# Altium PCB PCB.PcbDoc
Units mm, origin at the board's own origin, x right, y up, seen from the top; angles counter-clockwise.
Board outline 92 x 86 mm, 2 copper layers (Top Layer, Bottom Layer); 69 components, 45 nets, 192 pads, 21 vias.
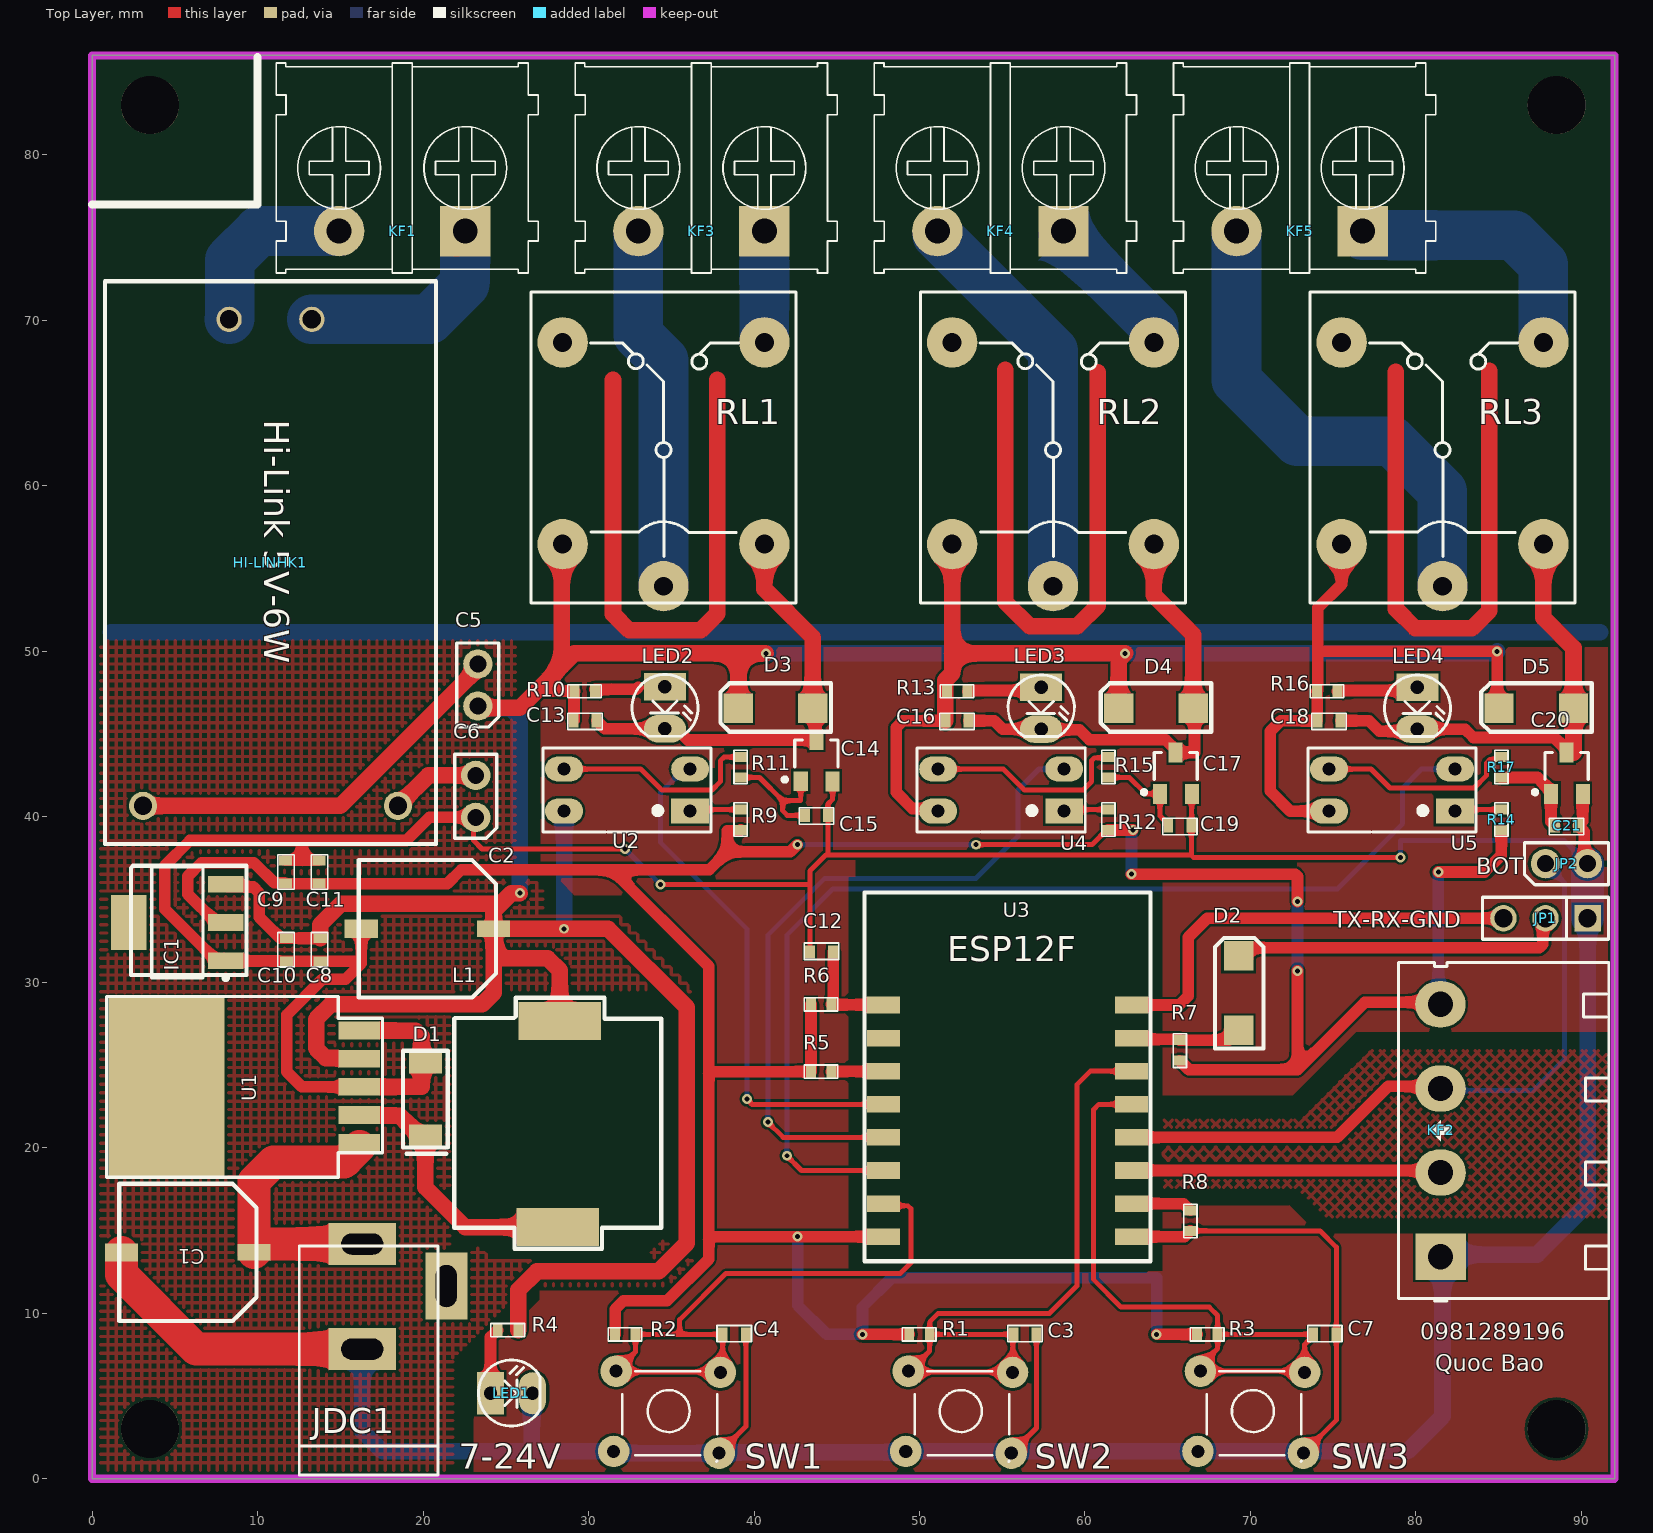
[diagram p0: Top Layer view]
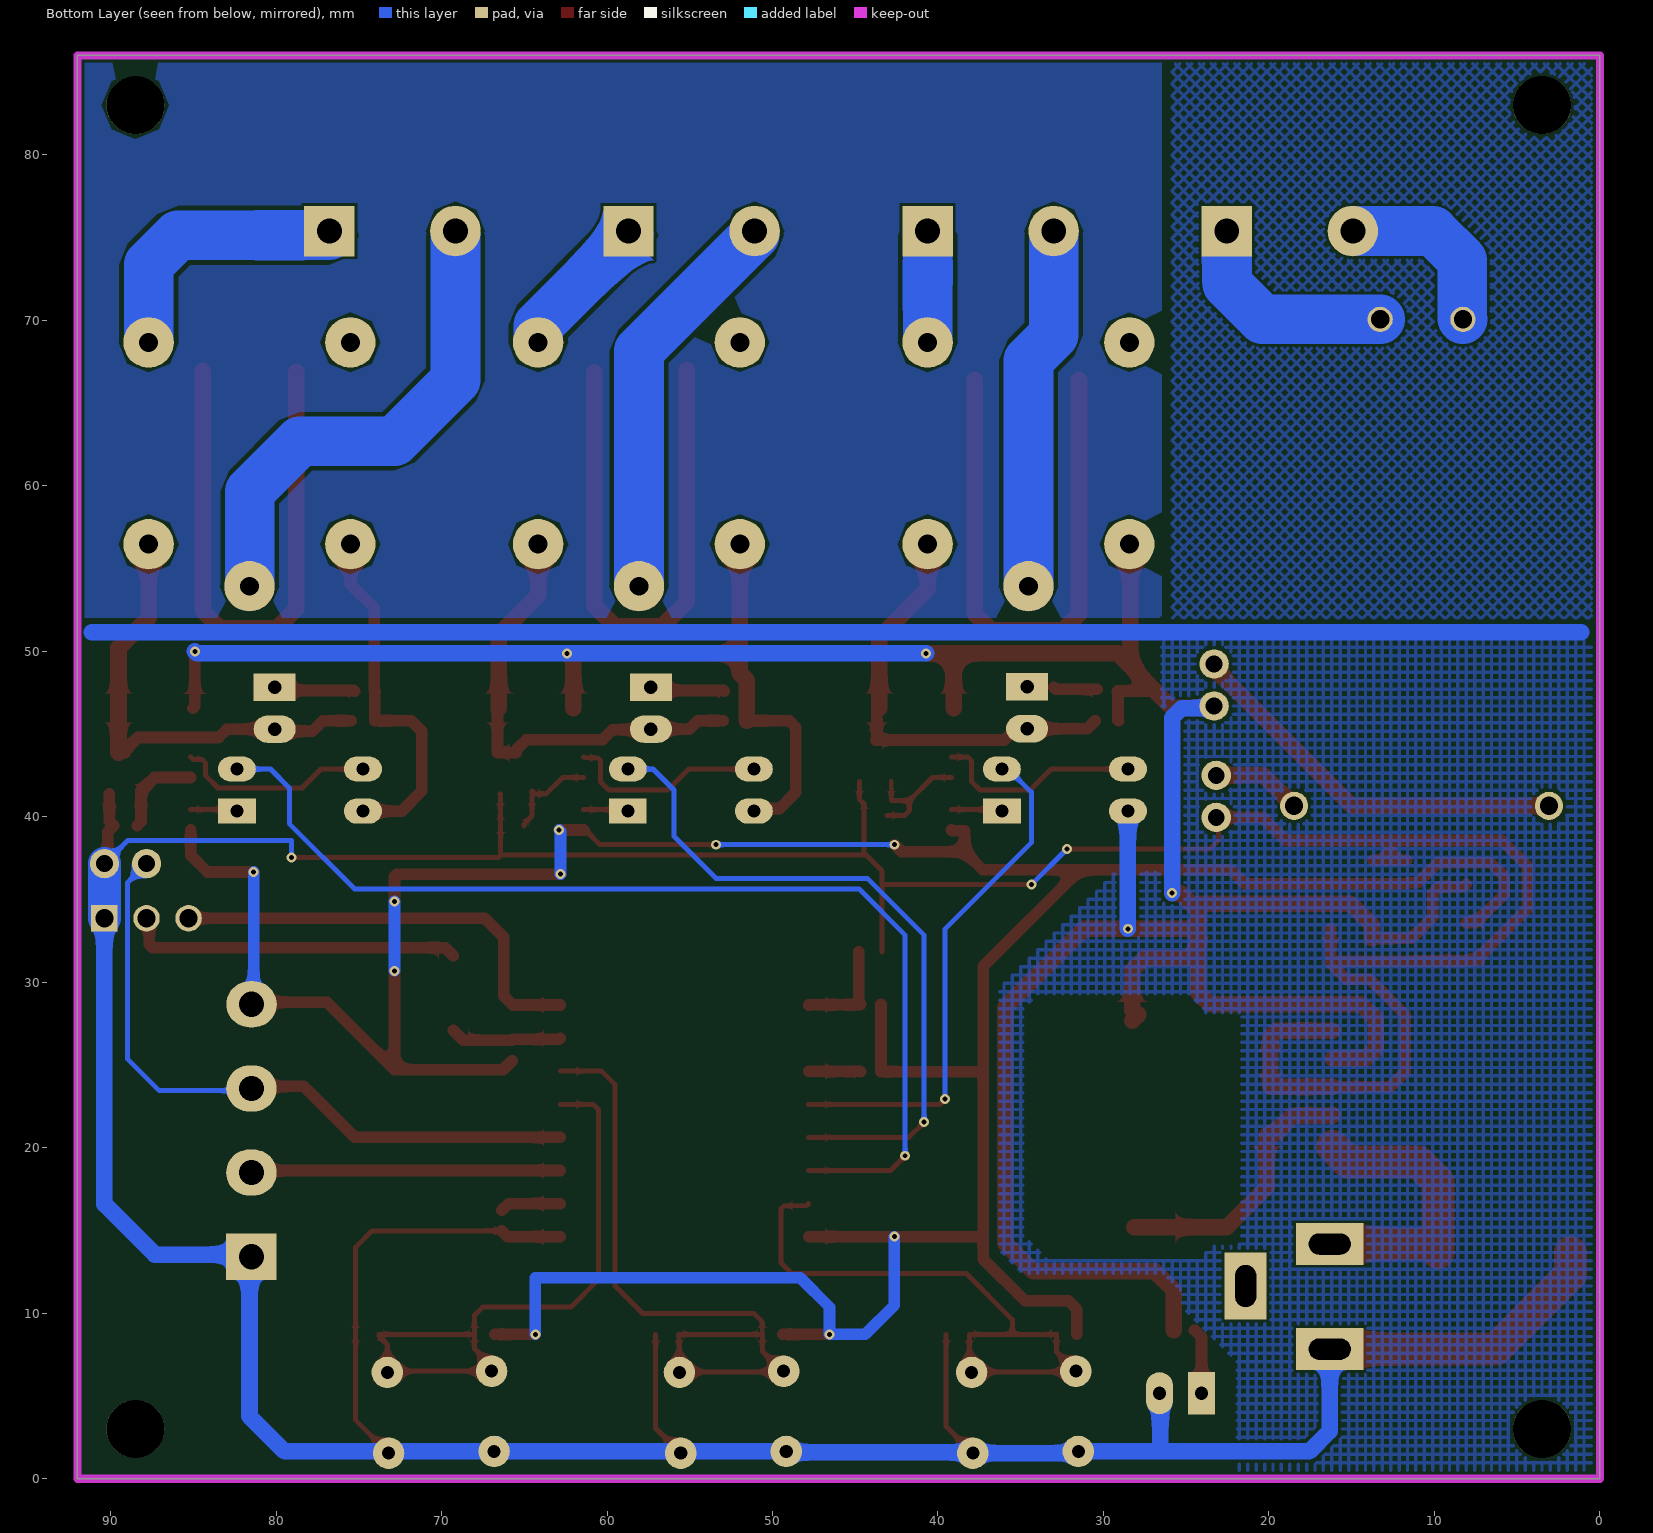
[diagram p1: Bottom Layer view, seen from below]

## Layer stack, top to bottom
Top Solder: solder mask 0.0102, Solder Resist, Dk 3.5
Top Layer: signal copper 0.0356
Dielectric 1: dielectric 0.32, FR-4, Dk 4.8
Bottom Layer: signal copper 0.0356
Bottom Solder: solder mask 0.0102, Solder Resist, Dk 3.5

## Board outline
0,0 0,86 92,86 92,0

## Design rules (kind name [scope] priority, off if disabled: settings)
Clearance [All] p1: gap=0.152 ignorepadtopadclearanceinfootprint=FALSE
PolygonConnect [All] p1: connectstyle=Relief reliefconductorwidth=0.254 reliefentries=4 polygonreliefangle="90 Angle" airgapwidth=0.254
RoutingVias [All] p1: holewidth=0.3 width=0.6 viastyle="Through Hole" minholewidth=0.3 minwidth=0.6 maxholewidth=0.3 maxwidth=0.6
SolderMaskExpansion [All] p1: expansion=0.102
Width [All] p1: maxlimit=3 minlimit=0.3 preferedwidth=0.7
30 further rules are at their usual default settings.

## Components (designator, comment, footprint, x,y, rotation, side; value= is the part's Value field where it differs from the comment)
C1 "CAP ALUM 100UF 50V 20% SMD" "ALU D8x10" 5.786,13.668 r270 top value=100uF/50V
C2 "CAP ALUM 100UF 50V 20% SMD" "ALU D8x10" 20.264,33.226 r270 top value=100uF/50V
C3 "1uF" "C 0603(1608 metric)" 56.368,8.721 r0 top
C4 "1uF" "C 0603(1608 metric)" 38.806,8.721 r0 top
C5 "JP2" JP2-CLOSED 23.312,46.688 r180 top
C6 "JP2" JP2-CLOSED 23.185,39.957 r180 top
C7 "1uF" "C 0603(1608 metric)" 74.493,8.721 r0 top
C8 "10uF" "C 0603(1608 metric)" 13.787,31.956 r90 top
C9 "1uF" "C 0603(1608 metric)" 11.755,31.956 r90 top
C10 "10uF" "C 0603(1608 metric)" 11.679,36.655 r270 top
C11 "1uF" "C 0603(1608 metric)" 13.711,36.655 r270 top
C12 "1uF" "C 0603(1608 metric)" 44.078,31.829 r0 top
C13 "1uF" "C 0603(1608 metric)" 29.789,45.799 r180 top
C14 "C1815" SOT23 43.764,43.386 r0 top
C15 "1uF" "C 0603(1608 metric)" 43.769,40.084 r180 top
C16 "1uF" "C 0603(1608 metric)" 52.268,45.799 r180 top
C17 "C1815" SOT23 65.471,42.624 r0 top
C18 "1uF" "C 0603(1608 metric)" 74.747,45.799 r180 top
C19 "1uF" "C 0603(1608 metric)" 65.73,39.449 r180 top
C20 "C1815" SOT23 89.098,42.624 r0 top
C21 "1uF" "C 0603(1608 metric)" 89.098,39.449 r180 top
D1 "SS34 SMA" SS34-SMA 20.137,22.939 r180 top
D2 "1N4007" SMA 69.286,29.289 r270 top
D3 "1N4007" SMA 41.346,46.561 r0 top
D4 "1N4007" SMA 64.333,46.561 r0 top
D5 "1N4007" SMA 87.32,46.561 r0 top
HI-LINHK1 "Hi-link 5v" Hi-Link 10.779,55.356 r270 top
IC1 "AMS1117" AMS-1117 5.913,33.734 r90 top
JDC1 "Jac DC" DC-IN 18.867,11.001 r90 top
JP1 "JP3" JP3-D1T 90.368,33.861 r180 top
JP2 "JP2" JP2-CLOSED 87.826,37.163 r90 top
KF1 "Terminal Block 2Pin 5.08  KF2EDGK-5.08-2P-L" KF2-7.62 18.74,79.2 r180 top
KF2 "Terminal Block 4Pin 5.08  KF4EDGK-5.08-24-L" HED4T 81.489,13.412 r90 top
KF3 "Terminal Block 2Pin 5.08  KF2EDGK-5.08-2P-L" KF2-7.62 36.816,79.2 r180 top
KF4 "Terminal Block 2Pin 5.08  KF2EDGK-5.08-2P-L" KF2-7.62 54.893,79.2 r180 top
KF5 "Terminal Block 2Pin 5.08  KF2EDGK-5.08-2P-L" KF2-7.62 72.969,79.2 r180 top
L1 "33uF" RH127-471 28.138,21.415 r0 top
LED1 "LED" LED-3 25.344,5.159 r0 top value="LED 3 ly Single Colour"
LED2 "LED" LED-3 34.615,46.585 r270 top value="LED 3 ly Single Colour"
LED3 "LED" LED-3 57.348,46.561 r270 top value="LED 3 ly Single Colour"
LED4 "LED" LED-3 80.081,46.561 r270 top value="LED 3 ly Single Colour"
R1 "RES 0.3K Ohm 0805 5%" RES_0603 49.982,8.715 r180 top value=10K
R2 "RES 0.3K Ohm 0805 5%" RES_0603 32.202,8.715 r180 top value=10K
R3 "RES 0.3K Ohm 0805 5%" RES_0603 67.381,8.715 r180 top value=10K
R4 "RES 0.3K Ohm 0805 5%" RES_0603 25.115,8.969 r180 top value=1k
R5 "RES 0.3K Ohm 0805 5%" RES_0603 44.049,24.59 r180 top value=10K
R6 "RES 0.3K Ohm 0805 5%" RES_0603 44.042,28.654 r180 top value=10K
R7 "RES 0.3K Ohm 0805 5%" RES_0603 65.73,25.86 r270 top value=4.7K
R8 "RES 0.3K Ohm 0805 5%" RES_0603 66.365,15.573 r270 top value=10K
R9 "RES 0.3K Ohm 0805 5%" RES_0603 39.187,39.83 r90 top value=1K
R10 "RES 0.3K Ohm 0805 5%" RES_0603 29.753,47.577 r180 top value=0.47k
R11 "RES 0.3K Ohm 0805 5%" RES_0603 39.187,43.005 r90 top value=0.47k
R12 "RES 0.3K Ohm 0805 5%" RES_0603 61.412,39.83 r90 top value=1K
R13 "RES 0.3K Ohm 0805 5%" RES_0603 52.268,47.577 r180 top value=0.47k
R14 "RES 0.3K Ohm 0805 5%" RES_0603 85.161,39.83 r90 top value=1K
R15 "RES 0.3K Ohm 0805 5%" RES_0603 61.412,43.005 r90 top value=0.47k
R16 "RES 0.3K Ohm 0805 5%" RES_0603 74.62,47.577 r180 top value=0.47k
R17 "RES 0.3K Ohm 0805 5%" RES_0603 85.161,43.005 r90 top value=0.47k
RL1 "10A 250VAC/28VDC" RL_SRD-5VDC 34.53,53.927 r90 top value="Relay SPDT, 10A, 12V"
RL2 "10A 250VAC/28VDC" RL_SRD-5VDC 58.068,53.927 r90 top value="Relay SPDT, 10A, 12V"
RL3 "10A 250VAC/28VDC" RL_SRD-5VDC 81.605,53.927 r90 top value="Relay SPDT, 10A, 12V"
SW1 "SW" SW4 34.742,4.016 r0 top value="Button chip 4 pin"
SW2 "SW" SW4 52.395,4.016 r0 top value="Button chip 4 pin"
SW3 "SW" SW4 70.048,4.016 r0 top value="Button chip 4 pin"
U1 "IC REG BUCK 5V 3A TO263-5*" "TO263-5 - duplicate" 16.149,23.676 r0 top
U2 "PC817" PC817_DIP 36.139,40.338 r90 top
U3 "ISM 2.4Ghz, 802.11 b/g/n, PA: +25dBm" Esp-07 55.316,25.139 r0 top
U4 "PC817" PC817_DIP 58.745,40.338 r90 top
U5 "PC817" PC817_DIP 82.367,40.338 r90 top

## Footprints (in the part's own frame and the unit in brackets; to place one, negate y for a bottom-side part, rotate by r counter-clockwise, add the part's x,y. Pads: shape width x height; smd on the part's side, far side on the other; paste and mask are expansions set on the pad)
"ALU D8x10" [mm]
  rect 1x2 smd: 1(0,4)
  rect 1.1x2 smd: 2(0,-4)
  silkscreen extent -4.15,-4.15 4.15,4.15, body extent -4.15,-4.5 4.15,4.5, height 6.2
AMS-1117 [mm]
  rect 1x2.15 smd: 1(-2.427,-2.163) 2(-0.127,-2.163) 3(2.173,-2.163)
  rect 3.3x2.15 smd: 4(-0.127,3.687)
  silkscreen extent -3.6,-3.43 3.3,3.56, body extent -3.37,-2.74 3.19,4.26, height 2.04
"C 0603(1608 metric)" [mm] "LED_0603_RED"
  rect 0.6x0.8 smd: 1(-0.7,0) 2(0.7,0)
  silkscreen extent -1.04,-0.46 1.04,0.53, body extent -0.88,-0.42 0.82,0.48, height 0.9
DC-IN [mil] "Jac DC input"
  rect 100x160 hole 50 slot 100 at 90 deg: 1(125,100) 2(-125,100)
  rect 160x100 hole 50 slot 100 at 0 deg: 3(25,-100)
  silkscreen extent -425,-80 120,250, body extent -410,-105 134,269, height 434
Esp-07 [mm]
  rect 2x1 smd: 1(-7.5,3.48) 2(-7.5,1.48) 3(-7.5,-0.52) 4(-7.5,-2.52) 5(-7.5,-4.52) 6(-7.5,-6.52) 7(-7.5,-8.52) 8(-7.5,-10.52) 15(7.5,-10.52) 16(7.5,-8.52) 17(7.5,-6.52) 18(7.5,-4.52) 19(7.5,-2.52) 20(7.5,-0.52) 21(7.5,1.48) 22(7.5,3.48)
  silkscreen extent -8.64,-12 8.64,10.29, body extent -8.06,-12.02 7.94,9.98, height 3.5
HED4T [mil] "Header 4, 4 pin, hight 300mil, Pin to Pin 200, Colour Green"
  rect 110x120 hole 60: 1(0,0)
  oval 110x120 hole 60: 2(200,0) 3(400.06,0.06) 4(600.39,0.39)
  silkscreen extent -105,-400 700,100, body extent -97,-402 685,70, height 158
Hi-Link [mm]
  round 1.524 hole 1.1: 1(-14.7,2.5) 2(-14.7,-2.5)
  round 1.7 hole 1.1: 3(14.7,7.7) 4(14.7,-7.7)
  silkscreen extent -17,-10 17,10, body extent -17.02,-10.1 16.98,10.1, height 15.01
JP2-CLOSED [mil]
  round 70 hole 40: 1(0,0) 2(0,-100)
  silkscreen extent -50,-150 50,50, body extent -50,-152 50,50, height 300
JP3-D1T [mm] "3 pins, 1 row, straight, gold plating"
  rect 1.6x1.6 hole 1.1: 1(0,0)
  round 1.6 hole 1.1: 2(2.54,0) 3(5.08,0)
  silkscreen extent -1.27,-1.27 6.35,1.27, body extent -1.27,-1.27 6.35,1.27, height 8.54
KF2-7.62 [mil]
  rect 120x120 hole 59.06 unplated: 1(-150,150)
  round 120 hole 59.06 unplated: 2(150,150)
  silkscreen extent -324,-250 300,250, body extent -303,-258 297,214, height 488
LED-3 [mil] "LED 2 PIN, 3ly Only colour"
  rect 65x100 hole 32: 1(-50,0)
  oval 65x100 hole 32: 2(50,0)
  silkscreen extent -79,-78 68,79, body extent -63,-75 75,75, height 217
PC817_DIP [mil] "4 PIN, W 300mil, Pin to pin 100mil"
  rect 60x90 hole 31: 1(0,0)
  oval 60x90 hole 31: 2(100,0) 3(100,300) 4(0,300)
  silkscreen extent -50,-50 150,350, body extent -40,-6 140,304, height 169
RES_0603 [mm] "LED_0603_RED"
  rect 0.6x0.8 smd: 1(-0.635,0) 2(0.6,0)
  silkscreen extent -1.02,-0.4 1.02,0.4, body extent -0.83,-0.4 0.77,0.4, height 0.2
RH127-471 [mm]
  rect 5x2.3 smd: 1(0,-6.223) 2(0.127,6.25)
  silkscreen extent -6.25,-7.52 6.25,7.65, body extent -6.25,-6.25 6.25,6.25, height 5.8
RL_SRD-5VDC [mil] "SRD-5VDC-SL-C"
  round 120 hole 45: 1(0,0) 2(580,240) 3(580,-240) 4(100,-240) 5(100,240)
  silkscreen extent -40,-315 700,315, body extent -50,-311 702,300, height 614
SMA [mil]
  rect 70x70 smd: 1(86.61,0) 2(-90.55,0)
  silkscreen extent -133,-56 130,59, body extent -108,-55 108,55, height 102
SOT23 [mm] "SOT 23 _ 1-3-2"
  rect 0.85x1.2 smd: 1(-0.94,-1.245) 2(0.985,-1.25) 3(0.005,1.25)
  silkscreen extent -2.03,-1.27 1.31,1.25, body extent -1.44,-1.45 1.46,1.35, height 1.3
SS34-SMA [mm]
  rect 2x1.3 smd: 1(0,-2.2) 2(0,2.2)
  silkscreen extent -1.35,-2.92 1.35,3.3, body extent -1.35,-2.46 1.35,2.54, height 2.3
SW4 [mil] "SW button 4pin, 250 x250 mil"
  round 75 hole 31: 1(-121,97.5) 2(124,-97.5) 3(127,94.5) 4(-127,-93.5)
  silkscreen extent -106,-118 119,98, body extent -157,-122 155,122, height 276
"TO263-5 - duplicate" [mm] "LM2596S-5.0"
  rect 2.5x1.07 smd: 1(0,-3.4) 2(0,-1.7) 3(0,0) 4(0,1.7) 5(0,3.4)
  rect 6.99x10.8 smd: 6(-11.633,0.025)
  silkscreen extent -15.27,-5.46 1.4,5.46, body extent -14.77,-4.97 0.9,5.03, height 4.68

## Part data
C1 C2: library part "Alu 100uF/50v", "100UF 50V, 20%, Size D=8mm, L=10mm", Supplier Part Number 1=EEV-HA1H101P, Supplier 1=Arrow
C3 C4 C7 C8 C9 C10 C11 C12 C13 C15 C16 C18 C19 C21: library part "CAP 0603 SMD", "Capacitors Size SMD 0603"
C5 C6 JP2: "WR-PHD 2.54 mm Angled Socket Header", Manufacturer="Würth Elektronik eiSos GmbH", partNo=613002143121, ComponentLink1 Description=Manufacturer, ComponentLink1URL=http://www.we-online.com, ComponentLink2 Description=Datasheet, ComponentLink2URL=http://katalog.we-online.de/em/datasheet/6130xx143121.pdf, Created by="Karrer Zheng", Created Date="29 March 2013", NoPins=02
C14 C17 C20: library part "C1815 2SC1815-HF", "NPN ECB transistor, SOT23-3 package", Supplier 1=Digi-Key
D1: "Size A, DIODE SCHOTTKY 3A 40V SMA", Supplier Part Number 1=90R9194, Supplier 1=Newark
D2 D3 D4 D5: library part diode, "Diode 1A"
IC1: library part "AMS1117 3.3V"
JDC1: library part DCIN, "Jac DC input"
JP1: "WR-PHD 2.54 mm Angled Socket Header", Manufacturer="Würth Elektronik eiSos GmbH", partNo=613003143121, ComponentLink1 Description=Manufacturer, ComponentLink1URL=http://www.we-online.com, ComponentLink2 Description=Datasheet, ComponentLink2URL=http://katalog.we-online.de/em/datasheet/6130xx143121.pdf, Created by="Karrer Zheng", Created Date="29 March 2013", NoPins=03
KF1 KF3 KF4 KF5: library part KF2, "KF2 7.62"
KF2: library part KF4(KF4EDGK-5.08-4P-L)_1
L1: library part "L 33UH RH127", "33UH (330) 3A, Size 12x12x7mm"
LED1 LED2 LED3 LED4: library part LED-DIP, "LED Single colour Green and Red"
R1 R2 R3 R4 R5 R6 R7 R8 R9 R10 R11 R12 R13 R14 R15 R16 R17: library part "R-0603-1k 5%", "SMD Resistor 3k OHM (Code 103) 1/8W 5% 0805 SMD", Supplier Part Number 1=311-330ATR-ND, Supplier 1=Digi-Key
RL1 RL2 RL3: library part "Relay SRD-5VDC-SL-C", "5V DC SONGLE Power Relay SRD-05VDC-SL-C  (5 Pin mit NC / NO)", ="Relay SPDT, 10A, 24V"
SW1 SW2 SW3: library part SW4, "Switch button 4 pin"
U1: library part LM2596S-5.0, "Buck Switching Regulator IC Positive Fixed 5V 1 Output 3A TO-263-6, D睵ak (5 Leads + Tab), TO-263BA", Supplier Part Number 1=LM2599S-5.0-ND, Supplier 1=Digi-Key
U2 U4 U5: "Single Opto"
U3: library part "ESP-7 ESP8266"

## Free pads (board coordinates)
  round 3.5 hole 3.5 paste+0: Drill(3.5,3) Drill(3.5,83) Drill(88.5,3) Drill(88.5,83)

## Via types
v1: diameter 0.6, hole 0.3, Top Layer to Bottom Layer, 21 vias

## Nets (pads, with @x,y where several pads share a name; then routed paths per layer and width w, separated by ;. In a path a pad name is that pad's centre, name@x,y a point inside that pad or via, vN(x,y) a via of type N, cw(c..) or ccw(c..) an arc to the next point about the centre after c; other vN are vias at no path point)
3.3V+: C10.2 C11.2 IC1.2 KF2.4 R1.2 R2.2 R3.2 R5.2 R6.2 R7.2 R9.1 R12.1 R14.1 U3.8 | length 214.4
  Top Layer w0.3: v1(53.411,38.306) 60.423,38.306 61.312,39.195 R12.1
  Top Layer w0.7: IC1.2 7.501,33.607 5.786,35.322 5.786,36.401 6.613,37.228 9.776,37.228 10.999,36.005 11.629,36.005 C10.2 C11.2 21.469,35.955 22.296,36.782 31.44,36.782 ; R2.2 31.602,10.239 32.11,10.747 34.742,10.747 37.257,13.262 37.257,14.43 ; R9.1 39.137,39.145 38.375,39.145 38.375,37.875 ; v1(42.616,38.306) 42.185,37.875 38.375,37.875 ; R6.2 43.446,28.651 43.446,24.593 R5.2 37.384,24.59 37.257,24.463 ; v1(46.553,8.715) R1.2 ; U3.8 v1(42.631,14.619) 37.446,14.619 37.257,14.43 ; R12.1 v1(62.89,39.195) ; v1(62.809,36.528) 72.698,36.528 72.842,36.384 v1(72.842,34.877) ; v1(64.333,8.721) 64.339,8.715 R3.2 ; R7.2 66.273,24.717 72.842,24.717 ; v1(72.842,30.686) 72.842,24.717 ; v1(81.351,36.655) 84.145,36.655 85.161,37.671 R14.1 ; KF2.4@81.595,28.791 76.916,28.791 72.842,24.717 ; 31.44,36.782 37.282,36.782 38.375,37.875 ; 31.44,36.782 37.257,30.965 37.257,24.463 ; 37.257,14.43 37.257,24.463
  Bottom Layer w0.3: v1(42.616,38.306) v1(53.411,38.306)
  Bottom Layer w0.7: v1(42.631,14.619) 42.631,10.478 44.394,8.715 v1(46.553,8.715) 46.553,10.366 48.331,12.144 64.333,12.144 v1(64.333,8.721) ; v1(62.809,36.528) 62.809,39.114 v1(62.89,39.195) ; v1(72.842,30.686) v1(72.842,34.877) ; v1(81.351,36.655) 81.351,29.035 KF2.4@81.595,28.791
5V+: C2.1 C5.1 C8.2 C9.2 C13.2 C16.2 C18.2 D3.2 D4.2 D5.2 IC1.3 L1.2 R4.1 R10.2 R13.2 R16.2 RL1.5 RL2.5 RL3.5 U1.4 U2.4 U4.4 U5.4 | length 262.1
  Top Layer w0.7: IC1.3 8.226,35.757 9.732,35.757 10.104,35.385 10.104,33.926 11.374,32.656 C9.2 C8.2 ; 26.868,47.601 R10.2@29.121,47.601 ; C13.2 29.121,45.831 R10.2@29.121,47.601 ; R10.2 29.129,47.601 R10.2@29.121,47.601 ; U4.4 50.967,40.496 49.57,40.496 48.585,41.481 48.585,45.389 48.995,45.799 C16.2 ; U5.4 72.407,40.338 71.191,41.554 71.191,45.164 71.826,45.799 C18.2 74.047,47.55 R16.2 74.07,47.627 74.07,49.863 ; RL3.5 75.509,54.054 74.07,52.615 74.07,49.863 ; D5.2 84.907,46.674 v1(84.907,49.99) 74.197,49.99 74.07,49.863
  Top Layer w1: C8.2 13.787,33.48 15.057,34.75 24.264,34.75 ; U1.4 16.114,25.411 14.119,25.411 13.533,25.996 13.533,27.765 14.422,28.654 23.566,28.654 24.264,29.352 24.264,32.034 ; C5.1 23.415,46.585 25.852,46.585 26.868,47.601 28.392,49.125 ; R4.1 25.75,11.397 26.878,12.525 34.234,12.525 35.941,14.232 35.941,28.471 31.186,33.226 v1(28.519,33.226) C2.1 ; v1(25.852,35.385) 25.344,35.385 24.264,34.305 C2.1 ; L1.2 27.884,28.046 27.996,28.046 28.265,28.315 28.265,30.711 27.528,31.448 24.85,31.448 24.264,32.034 ; RL1.5 28.392,56.425 28.392,49.125 ; D3.2 39.06,46.575 39.06,49.863 ; v1(40.711,49.863) 39.06,49.863 ; C16.2 51.568,48.252 51.972,48.656 51.972,49.863 ; RL2.5 51.972,49.863 ; D4.2 62.033,49.468 v1(62.428,49.863) 51.972,49.863 ; 24.264,32.034 C2.1 ; 28.392,49.125 29.13,49.863 39.06,49.863
  Bottom Layer w1: C5.1 23.439,46.561 25.266,46.561 25.852,45.975 v1(25.852,35.385) ; v1(28.519,33.226) U2.4 ; v1(40.711,49.863) v1(62.428,49.863) 84.78,49.863 v1(84.907,49.99)
BOOT: JP2.1 KF2.3 U3.18 | length 40.6
  Top Layer w0.7: U3.18 75.246,20.619 78.33,23.703 KF2.3@81.603,23.703
  Bottom Layer w0.3: KF2.3@81.603,23.703 81.859,23.447 87.066,23.447 88.971,25.352 88.971,36.018 JP2.1
BTN_RL1: C4.1 R2.1 SW1.1 SW1.3 U3.7 | length 37.9
  Top Layer w0.3: SW1.3 37.93,6.454 31.707,6.454 SW1.1 32.837,7.661 R2.1 32.84,8.718 35.504,8.718 ; SW1.3@38.106,6.519 C4.1 38.103,8.718 35.504,8.718 ; U3.7 47.945,16.49 49.298,16.49 49.474,16.314 49.474,13.033 48.839,12.398 38.298,12.398 35.504,9.604 35.504,8.718
BTN_RL2: C3.1 R1.1 SW2.1 SW2.3 U3.20 | length 42.8
  Top Layer w0.3: SW2.1 49.36,6.454 55.583,6.454 SW2.3 55.644,6.44 55.644,8.697 C3.1@55.665,8.718 ; SW2.1@49.398,6.492 50.617,7.712 R1.1 R1.1@50.62,8.718 ; C3.1 C3.1@55.665,8.718 ; U3.20 60.323,24.619 59.507,23.803 59.507,11.636 57.856,9.985 51.125,9.985 50.62,9.48 R1.1@50.62,8.718 ; R1.1@50.62,8.718 C3.1@55.665,8.718
BTN_RL3: C7.1 R3.1 SW3.1 SW3.3 U3.19 | length 39.4
  Top Layer w0.3: U3.19 60.838,22.619 60.523,22.304 60.523,12.017 62.174,10.366 67.511,10.366 68.016,9.861 R3.1 ; SW3.3@73.198,6.492 SW3.1 66.975,6.824 68.016,7.865 R3.1 ; SW3.3 73.274,8.101 73.793,8.621 C7.1 73.79,8.718 68.019,8.718 R3.1
GND: C1.2 C2.2 C3.2 C4.2 C6.1 C7.2 C8.1 C9.1 C10.1 C11.1 C12.1 C14.2 C15.1 C17.2 C19.1 C20.2 C21.1 D1.1 IC1.1 JDC1.2 JP1.1 JP2.2 KF2.1 LED1.2 R8.2 SW1.2 SW1.4 SW2.2 SW2.4 SW3.2 SW3.4 U1.3 U1.5 U3.15 | length 331.4
  Top Layer w0.3: C6.1 23.058,39.83 23.058,38.56 23.566,38.052 v1(32.202,38.052) ; v1(34.361,35.893) 43.378,35.893 ; SW1.2 39.506,3.154 C4.2 ; C12.1 43.378,35.893 ; C14.2 44.75,41.045 44.469,40.765 C15.1 44.469,37.688 ; SW2.2 57.068,3.063 C3.2 ; R8.2 74.204,14.973 75.193,13.984 C7.2 75.193,3.535 SW3.2 ; C17.2 66.443,41.361 66.443,39.462 C19.1 66.43,37.671 ; v1(79.065,37.544) 66.557,37.544 66.43,37.671 ; 43.378,35.893 43.378,36.73 44.337,37.688 44.469,37.688 ; 44.469,37.688 61.639,37.688 61.656,37.671 66.43,37.671
  Top Layer w0.7: C10.1 12.695,37.355 ; C11.1 12.695,37.355 ; U1.3 12.669,23.676 11.755,24.59 11.755,28.019 13.914,30.178 15.311,30.178 16.264,31.131 ; C2.2 16.264,31.131 ; C6.1 20.391,39.957 18.994,38.56 12.644,38.56 ; U3.15 66.011,14.619 R8.2 ; C21.1 90.16,39.087 90.16,37.369 JP2.2 ; C21.1@89.848,39.499 90.073,39.724 90.073,41.363 C20.2 ; 12.644,38.56 5.913,38.56 4.389,37.036 4.389,34.419 7.501,31.307 IC1.1 8.102,31.281 11.348,31.281 11.374,31.256 C9.1 C8.1 16.139,31.256 16.264,31.131 ; 12.644,38.56 12.695,38.509 12.695,37.355
  Top Layer w1: U1.3 19.908,23.676 19.908,26.724 19.556,27.076 U1.5 ; SW1.4 SW1.4@31.567,1.692 ; SW3.4@66.746,1.971 SW3.4@66.822,1.895
  Top Layer w2: C1.2 1.786,12.334 6.294,7.826 JDC1.2
  Bottom Layer w0.3: v1(32.202,38.052) v1(34.361,35.893) ; v1(79.065,37.544) 79.065,38.558 88.971,38.558 JP2.2
  Bottom Layer w1: JDC1.2 16.327,2.873 17.559,1.641 SW1.4 31.618,1.539 SW1.2 37.942,1.59 49.118,1.59 SW2.4 SW3.4 79.484,1.641 81.605,3.762 81.605,13.541 87.32,13.541 90.368,16.589 JP1.1 ; 26.297,1.666 26.565,1.935 26.565,5.11 LED1.2 ; SW3.4@66.649,2.068 SW3.4@66.873,1.844 ; SW3.2@73.147,1.844 SW3.2@73.198,1.793
  Bottom Layer w2: JP1.1 JP2.2@90.367,37.162
NetC12_2: C12.2 R6.1 U3.1 | length 6.4
  Top Layer w0.7: R6.1 44.727,28.704 44.778,28.755 C12.2 ; R6.1@44.684,28.654 44.701,28.636 47.798,28.636 U3.1
NetC13_1: C13.1 C14.3 D3.1 LED2.2 RL1.4 | length 26.9
  Top Layer w0.7: C13.1 30.973,45.315 LED2.2 35.317,45.315 35.996,44.636 C14.3 43.694,44.711 43.694,46.413 D3.1
  Top Layer w1: RL1.4 40.626,53.758 43.546,50.838 D3.1
NetC14_1: C14.1 C15.2 R11.1 | length 7.5
  Top Layer w0.3: R11.1 40.33,42.37 41.727,40.973 ; C14.1 42.824,40.973 41.727,40.973 ; C15.2 42.004,40.084 41.727,40.361 41.727,40.973
NetC16_1: C16.1 C17.3 D4.1 LED3.2 RL2.4 | length 28.2
  Top Layer w0.7: C16.1 54.52,45.799 55.028,45.291 LED3.2 57.382,45.257 59.668,45.257 60.269,44.656 64.869,44.656 65.476,44.049 C17.3 66.619,43.874 66.619,46.343 66.685,46.409 D4.1
  Top Layer w1: RL2.4 64.164,53.375 66.533,51.006 D4.1
NetC17_1: C17.1 C19.2 R15.1 | length 5.9
  Top Layer w0.3: R15.1 62.682,42.37 63.673,41.379 64.356,41.379 64.531,41.554 C17.1 64.531,40.048 65.03,39.549 C19.2
NetC18_1: C18.1 C20.3 D5.1 LED4.2 RL3.4 | length 28.4
  Top Layer w0.7: C18.1 77.16,45.799 77.795,45.164 79.954,45.164 LED4.2 82.968,45.291 83.476,44.783 88.369,44.783 89.103,44.049 C20.3@89.103,43.899 ; C20.3 C20.3@89.52,43.874
  Top Layer w1: RL3.4 87.701,52.022 89.52,50.203 D5.1 C20.3@89.52,43.874
NetC20_1: C20.1 C21.2 R17.1 | length 5.5
  Top Layer w0.7: R17.1 87.343,42.37 88.158,41.554 C20.1 88.158,39.689 C21.2
NetD2_1: D2.1 R7.1 U3.21 | length 6.8
  Top Layer w0.7: U3.21 62.89,26.545 65.68,26.545 R7.1 68.692,26.495 D2.1
NetHI-LINHK1_1: HI-LINHK1.1 KF1.1 | length 14.1
  Top Layer w2: KF1.1@22.026,74.866 KF1.1
  Bottom Layer w3: HI-LINHK1.1 20.391,70.056 22.526,72.191 22.526,75.366 KF1.1
NetHI-LINHK1_2: HI-LINHK1.2 KF1.2 | length 10.9
  Bottom Layer w3: HI-LINHK1.2 8.326,70.103 8.326,73.633 10.083,75.39 KF1.2
NetKF3_1: KF3.1 RL1.3 | length 6.5
  Bottom Layer w3: RL1.3 KF3.1@40.626,75.136
NetKF3_2: KF3.2 RL1.1 | length 21.8
  Bottom Layer w3: KF3.2@33.006,75.136 33.006,69.112 34.53,67.588 RL1.1
NetKF4_1: KF4.1 RL2.3 | length 8.7
  Bottom Layer w3: KF4.1@58.703,75.136 64.154,69.684 64.154,68.668 RL2.3
NetKF4_2: KF4.2 RL2.1 | length 24.1
  Bottom Layer w3: KF4.2@51.083,75.136 58.068,68.151 RL2.1
NetKF5_1: KF5.1 RL3.3 | length 16.4
  Bottom Layer w3: KF5.1@76.779,75.136 85.923,75.136 87.692,73.367 87.692,68.668 RL3.3
NetKF5_2: KF5.2 RL3.1 | length 29.7
  Bottom Layer w3: KF5.2@69.159,75.136 69.159,66.373 72.842,62.69 78.557,62.69 81.596,59.651 81.596,53.936 RL3.1
NetLED1_1: LED1.1 R4.2 | length 4
  Top Layer w0.7: LED1.1 24.074,8.559 24.484,8.969 R4.2
NetLED2_1: LED2.1 R10.1 | length 2.9
  Top Layer w0.3: LED2.1@34.488,47.982 LED2.1
  Top Layer w0.7: R10.1@30.388,47.704 32.879,47.704 33.006,47.831
NetLED3_1: LED3.1 R13.1 | length 4.6
  Top Layer w0.7: R13.1 52.953,47.627 57.144,47.627 LED3.1
NetLED4_1: LED4.1 R16.1 | length 4.9
  Top Layer w0.7: R16.1 75.305,47.627 79.877,47.627 LED4.1
NetR5_1: R5.1 U3.3 | length 3.1
  Top Layer w0.7: R5.1 44.698,24.604 47.802,24.604 U3.3
NetR8_1: R8.1 U3.16 | length 3.7
  Top Layer w0.7: U3.16 65.954,16.619 R8.1
NetR9_2: R9.2 U2.1 | length 3.1
  Top Layer w0.3: U2.1 36.231,40.43 R9.2
NetR11_2: R11.2 U2.3 | length 12.8
  Top Layer w0.3: U2.3 33.155,42.878 34.425,41.608 37.46,41.608 37.968,42.116 37.968,43.375 38.198,43.605 R11.2
NetR12_2: R12.2 U4.1 | length 2.7
  Top Layer w0.3: U4.1 58.837,40.43 R12.2
NetR14_2: R14.2 U5.1 | length 2.8
  Top Layer w0.3: U5.1 82.459,40.43 R14.2
NetR15_2: R15.2 U4.3 | length 12.4
  Top Layer w0.3: U4.3 55.062,42.878 56.332,41.608 59.888,41.608 60.396,42.116 60.396,43.386 60.572,43.562 61.369,43.562 R15.2
NetR17_2: R17.2 U5.3 | length 12.1
  Top Layer w0.3: U5.3 77.287,42.878 78.43,41.735 83.51,41.735 84.272,42.497 84.272,43.259 84.468,43.455 85.011,43.455 R17.2
RL1: U2.2 U3.4 | length 31.4
  Top Layer w0.3: v1(39.568,22.939) 39.888,22.619 U3.4
  Bottom Layer w0.3: U2.2 35.758,42.878 34.361,41.481 34.361,38.433 39.568,33.226 v1(39.568,22.939)
RL2: U3.5 U4.2 | length 42.4
  Top Layer w0.3: v1(40.838,21.542) 41.761,20.619 U3.5
  Bottom Layer w0.3: v1(40.838,21.542) 40.838,32.845 44.267,36.274 53.411,36.274 55.951,38.814 55.951,41.608 57.221,42.878 U4.2
RL3: U3.6 U5.2 | length 65.3
  Top Layer w0.3: v1(41.981,19.51) 42.872,18.619 U3.6
  Bottom Layer w0.3: v1(41.981,19.51) 41.981,32.845 44.775,35.639 75.255,35.639 79.192,39.576 79.192,41.735 80.335,42.878 U5.2
RXD: D2.2 JP1.2 | length 20.3
  Top Layer w0.7: D2.2 69.78,32.083 87.447,32.083 87.656,32.292 87.656,33.689 JP1.2
SHT_VANG: KF2.2 U3.17 | length 18.8
  Top Layer w0.7: U3.17 62.817,18.62 81.604,18.62 KF2.2@81.605,18.621
TXD: JP1.3 U3.22 | length 26.7
  Top Layer w0.7: U3.22 65.695,28.619 66.238,29.162 66.238,32.718 67.381,33.861 JP1.3
V2_5V+: C5.2 HI-LINHK1.4 | length 23.9
  Top Layer w1: HI-LINHK1.4 14.994,40.656 23.312,48.974 C5.2
V2_GND: C6.2 HI-LINHK1.3 | length 5.6
  Top Layer w1: HI-LINHK1.3 18.479,40.839 18.662,40.839 20.32,42.497 C6.2
VIN+: C1.1 JDC1.1 U1.1 | length 18.3
  Top Layer w2: U1.1@16.149,20.061 15.218,19.129 10.958,19.129 9.786,17.957 C1.1 10.294,14.176 JDC1.1
VOUT: D1.2 L1.1 U1.2 | length 16.6
  Top Layer w1: U1.2 16.184,21.941 18.585,21.941 19.787,20.739 D1.2 20.137,17.605 22.55,15.192 L1.1
pads on no net: IC1.4 JDC1.3 RL1.2 RL2.2 RL3.2 U1.6 U3.2
copper on no net: | length 195.7
  Top Layer w1: 31.477,66.417 31.477,57.61 31.477,52.239 32.456,51.26 36.411,51.26 36.774,51.26 37.79,52.276 37.79,56.721 37.79,57.61 37.79,66.417 ; 55.18,66.999 55.18,65.738 55.18,52.982 56.648,51.514 59.528,51.514 60.777,52.763 60.777,65.865 60.777,66.867 ; 78.791,66.881 78.791,52.55 79.954,51.387 83.383,51.387 84.434,52.438 84.434,66.96
  Bottom Layer w1: 1.133,51.133 91.13,51.133

## Polygon pours and split planes (outlines as drawn)
no net on Top Layer "Top Layer-No Net 1" (hatched 90Degree grid 0.508 track 0.203, pour order 40): 0,50.625 25.585,50.625 25.585,37.291 27.249,35.627 27.249,33.988 31.856,33.988 36.139,29.705 36.139,13.541 36.393,13.287 34.742,11.636 26.135,11.636 21.788,7.289 21.788,0.206 0,0.206
no net on Top Layer "Top Layer-No Net" (solid, pour order 52): 92,0 92,14.811 74.032,14.811 72.334,16.509 72.315,16.49 63.952,16.49 63.952,12.652 63.698,12.398 45.689,12.398 45.689,36.318 45.755,36.384 64.564,36.384 64.564,23.165 72.56,23.165 76.398,27.003 92,27.003 92,50.244 27.249,50.244 27.122,50.371 27.122,37.275 29.139,35.258 32.964,35.258 37.257,30.965 37.028,30.736 37.028,13.033 35.372,11.377 27.055,11.377 27.055,10.807 22.931,6.683 23.058,6.556 23.058,0
no net on Top Layer "Top Layer-No Net 2" (hatched 45Degree grid 0.508 track 0.203, pour order 48): 91.638,25.86 77.287,25.86 73.096,21.669 61.158,21.669 61.158,17.605 72.842,17.605 74.62,15.827 91.638,15.827
no net on Top Layer "Top Layer-No Net 3" (solid, pour order 34): 0.071,85.55
no net on Top Layer "Top Layer-No Net 4" (hatched Horizontal grid 0.508 track 0.203, pour order 14): 0,0.206
no net on Top Layer "Top Layer-No Net 5" (hatched Horizontal grid 0.508 track 0.203, pour order 12): 0.198,-0.048
no net on Top Layer "Top Layer-No Net 6" (hatched Horizontal grid 0.508 track 0.203, pour order 10): -5.263,1.857
no net on Top Layer "Top Layer-No Net 7" (hatched Horizontal grid 0.508 track 0.203, pour order 4): 0.198,38.179
no net on Bottom Solder (solid): 0.198,38.433
no net on Bottom Layer "Bottom Layer-No Net" (hatched 45Degree grid 0.508 track 0.203, pour order 68): 0,85.677 25.852,85.677 25.852,52.022 0.127,52.022 0,52.149
no net on Bottom Layer "Bottom Layer-No Net 1" (solid, pour order 66): 92,86 26.487,86 26.487,52.149 26.614,52.022 91.765,52.022
no net on Bottom Layer "Bottom Layer-No Net 2" (solid, pour order 64): 92.019,85.55
no net on Bottom Layer "Bottom Layer-No Net 3" (solid, pour order 58): 24.836,52.403
no net on Bottom Layer "Bottom Layer-No Net 4" (hatched 90Degree grid 0.508 track 0.203, pour order 54): 0,0.079 21.836,0.079 21.915,0 21.915,7.191 22.042,7.191 25.217,10.366 25.217,11.255 26.36,12.398 34.869,12.398 36.266,13.795 36.266,29.67 29.281,36.655 26.487,36.655 26.487,50.498 26.36,50.625 -0.056,50.625
no net on Bottom Layer "Bottom Layer-No Net 5" (hatched 45Degree grid 0.508 track 0.203, pour order 44): 91.638,26.495
no net on Bottom Layer "Bottom Layer-No Net 6" (hatched 45Degree grid 0.508 track 0.203, pour order 42): 91.638,26.495

## Keep-outs
Keep-Out Layer:
  the board outline again, w0.5

## Other copper
Top Layer:
  pour cut-out: 69.54,54.816
  pour cut-out: 25.648,52.149 25.585,52.086 25.585,50.332 91.961,50.332 92,50.371 92,52.022
  pour cut-out: 21.989,29.547 21.606,29.164 21.606,13.922 23.458,13.922 24.22,13.16 33.289,13.16 35.161,15.031 35.161,28.969 34.583,29.547
  pour cut-out: 64.714,37.875 46.117,37.875 46.117,12.563 46.08,12.525 64.714,12.525
Bottom Layer:
  pour cut-out: 21.661,14.303 21.915,14.049 23.439,14.049 24.328,13.16 33.345,13.16 34.869,14.684 34.869,28.4 33.98,29.289 24.836,29.289 23.82,28.273 23.82,28.146 21.661,28.146
  pour cut-out: 21.915,28.273

## Silkscreen, mask and mechanical layers (free items; w line width, h text height)
Top Overlay:
  lines w0.5: 0,77 10,77 10,85.896
  text "BOT" at 83.637,36.528 h1
  text "TX-RX-GND" at 75.001,33.302 h1
  text "0981289196" at 80.264,8.382 h1
  text "Quoc Bao" at 81.153,6.492 h1
  text "7-24V" at 22.169,0.587 h1.52
Bottom Solder:
  lines w3: 8.279,70.056 8.279,73.565 8.453,73.739 10.104,75.39 14.93,75.39 ; 13.279,70.056 20.391,70.056 22.296,71.961 22.55,72.215 22.55,75.136 ; 32.964,75.094 32.964,69.167 34.53,67.601 34.53,53.927 ; 40.626,68.659 40.626,75.136 ; 51.083,75.136 58.068,68.151 58.068,53.927 ; 58.703,75.136 58.703,75.051 64.164,69.59 64.164,68.659 ; 69.159,75.136 69.159,66.5 72.969,62.69 78.43,62.69 ; 75.001,62.69 78.684,62.69 ; 76.779,75.136 85.923,75.136 87.701,73.358 87.701,68.659 ; 78.938,62.309 81.605,59.642 81.605,53.927

## Text inside footprints (layer, text, board x,y; h text height)
HI-LINHK1: Top Overlay "Hi-Link 5V-6W" at 10.398,63.992 h1.52 r270
U3: Top Overlay "ESP12F" at 51.668,31.256 h1.52